# Altium PCB PCB1.PcbDoc (part 2 of 2)
Units mil, origin at the board's own origin, x right, y up, seen from the top; angles counter-clockwise.
Board outline 1968.5 x 1968.5 mil, 4 copper layers (TOP-SIG, GND1, GND2, BOT-SIG), stack 62.449 mil thick; 202 components, 93 nets, 497 pads, 230 vias.
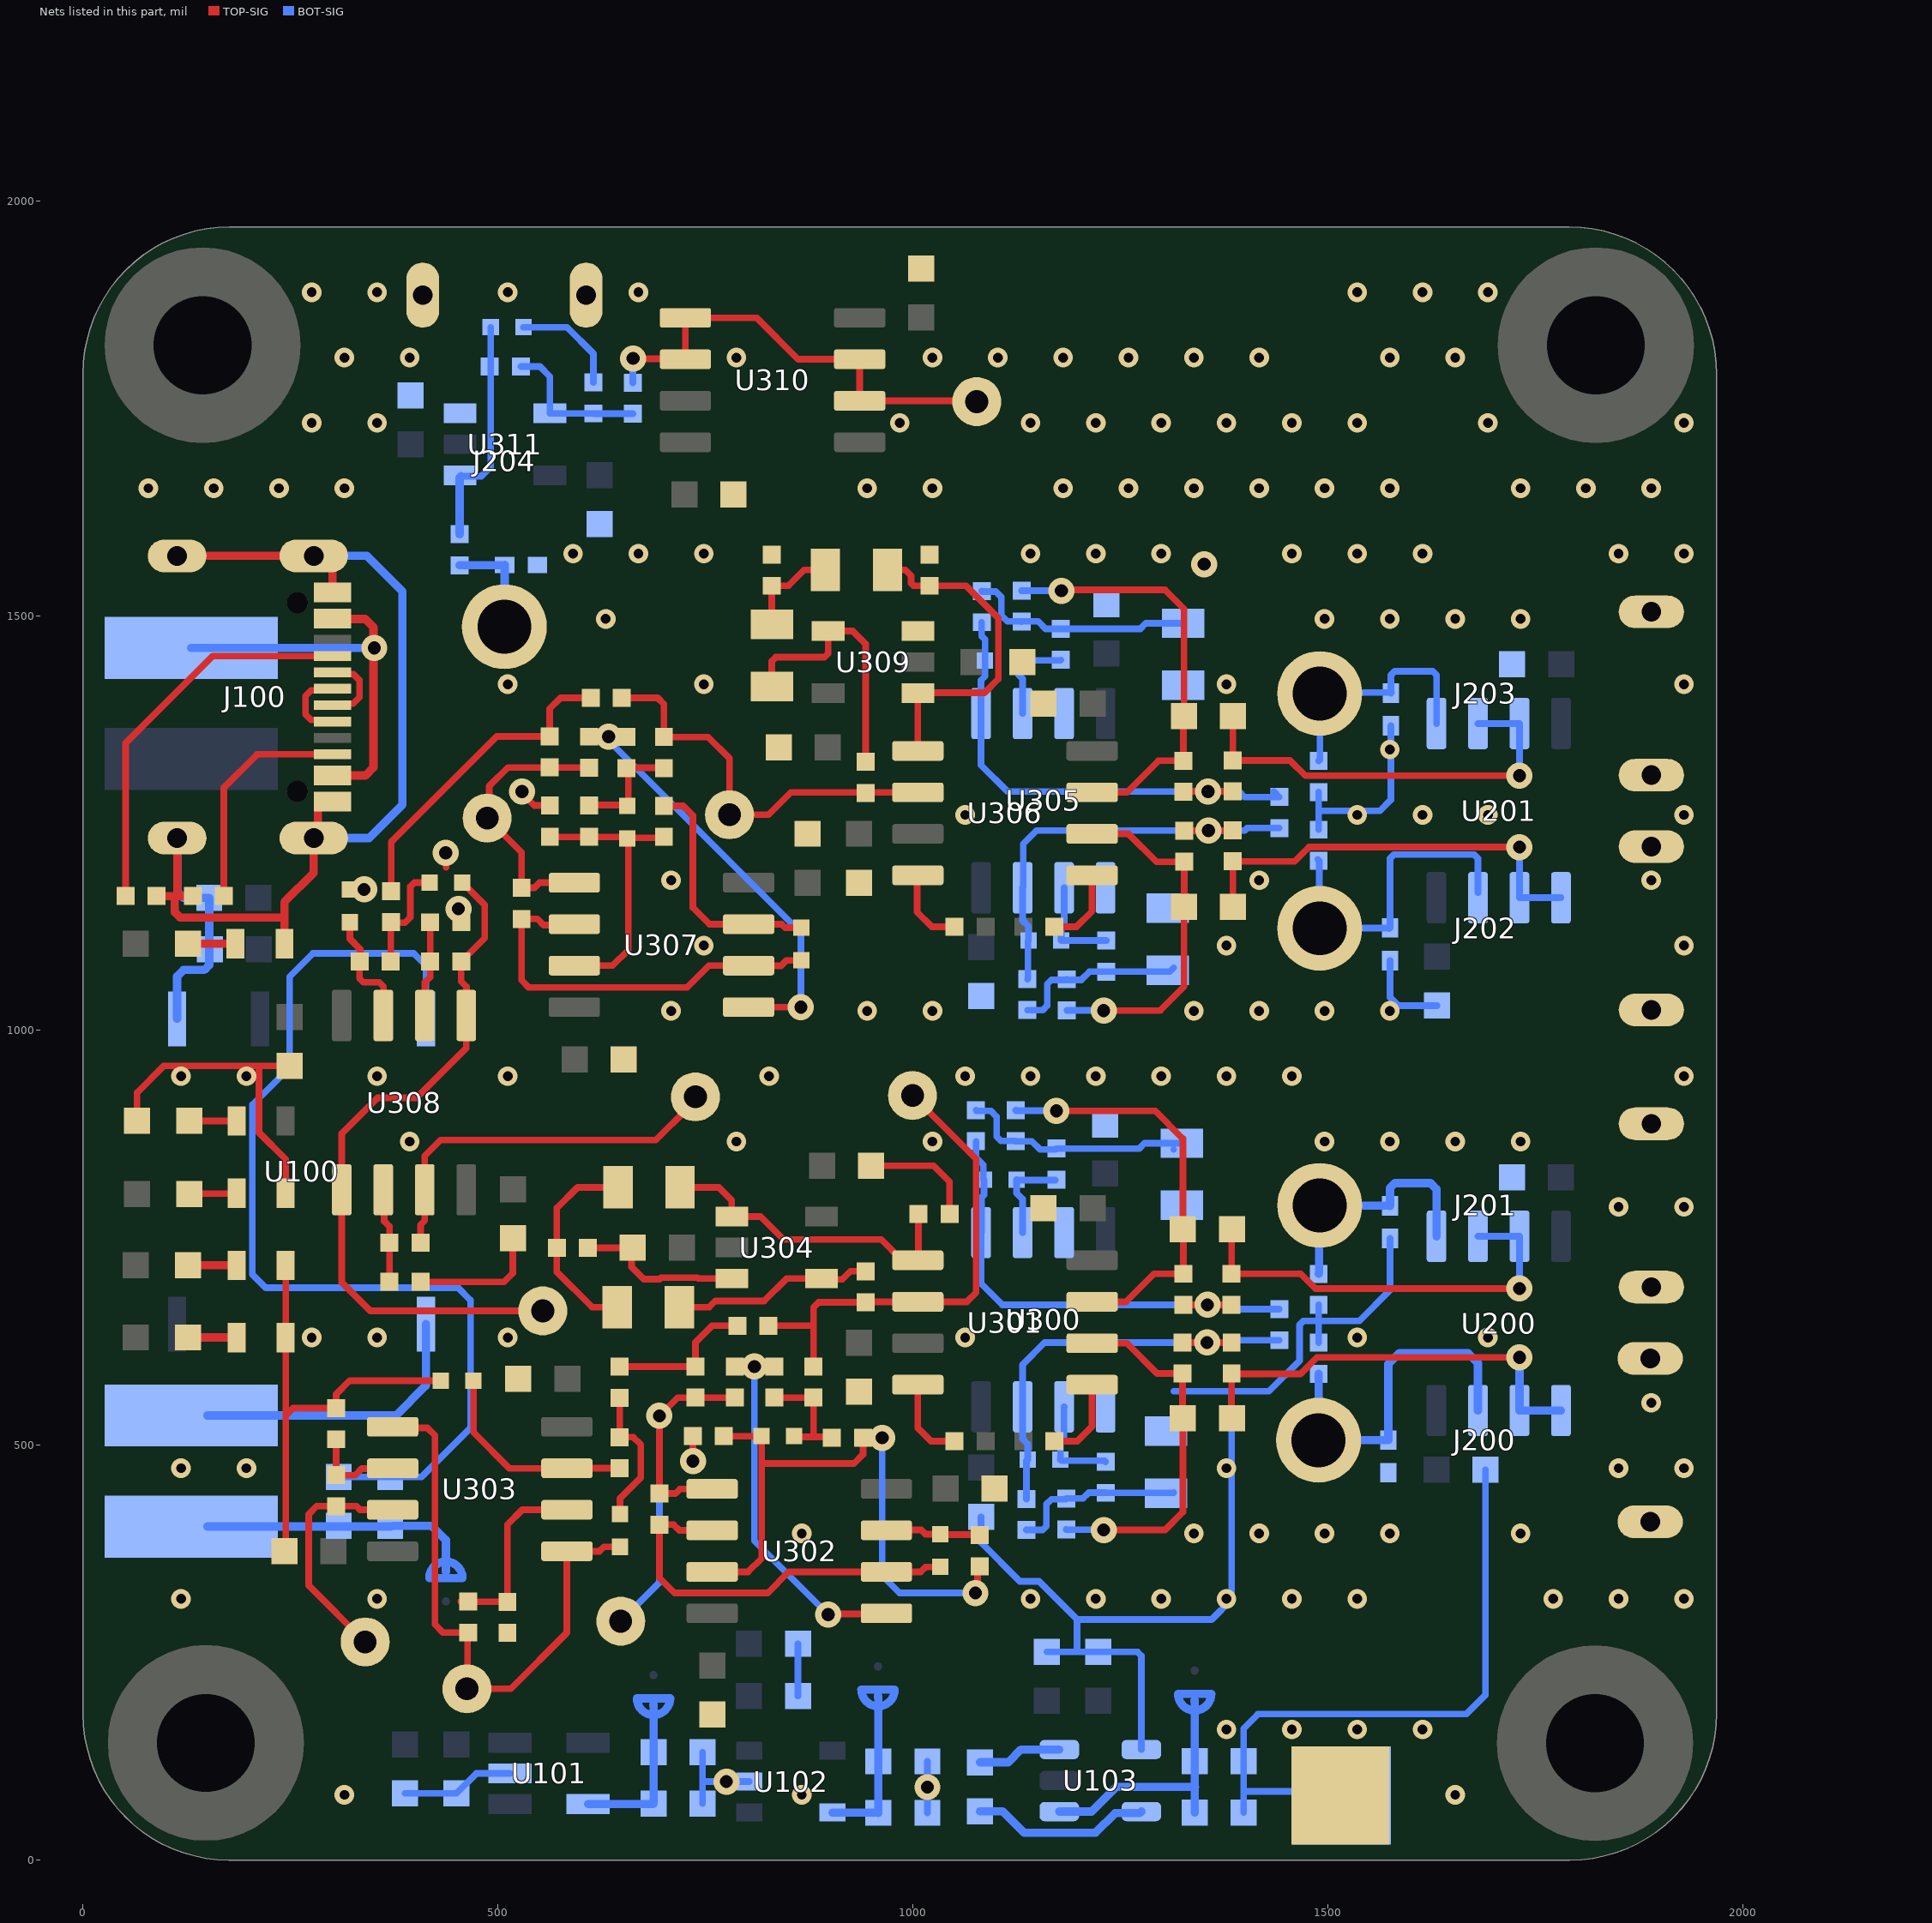
[diagram p4: the nets of this part, all layers, seen from the top]

## Via types
v1: diameter 23.62, hole 11.81, TOP-SIG to BOT-SIG, tented both sides, 140 vias
v2: diameter 31.5, hole 15.75, TOP-SIG to BOT-SIG, tented top, 52 vias
v3: diameter 23.62, hole 23.62, TOP-SIG to BOT-SIG, 32 vias
v4: diameter 31.5, hole 15.75, TOP-SIG to BOT-SIG, tented both sides, 6 vias

## Nets (pads, with @x,y where several pads share a name; then routed paths per layer and width w, separated by ;. In a path a pad name is that pad's centre, name@x,y a point inside that pad or via, vN(x,y) a via of type N, cw(c..) or ccw(c..) an arc to the next point about the centre after c; other vN are vias at no path point) (continued)
GND: C102.1 C103.1 C104.1 C105.1 C106.1 C107.1 C108.1 C109.1 C110.1 C111.1 C113.1 C114.1 C115.1 C116.1 C200.1 C201.2 C202.1 C203.2 C301.2 C302.1 C303.1 C308.1 C310.1 C311.2 C314.1 C315.2 C316.1 C317.2 C318.1 C320.2 C321.1 C323.2 C324.1 C325.1 C330.1 C332.1 C333.2 C336.1 C337.2 C338.1 C339.2 C340.1 C342.1 C343.2 C345.1 C346.2 C347.1 C348.2 D104.2 D200.2 D201.2 D202.2 D203.2 D204.2 J200.1 J200.3 J201.1 J201.3 J202.1 J202.3 J203.1 J203.3 J204.1 J204.3 R100.2 R104.2 R105.2 R200.1 R201.2 R202.1 R203.2 R313.1 R318.1 R321.1 R324.1 R327.1 R344.1 R349.1 R352.1 R355.1 R358.1 TP100.1 TP101.1 U100.7 U101.2 U102.2 U103.4 U300.3 U300.5 U304.3 U305.3 U305.5 U309.3 U311.3 | length 5688.1
  TOP-SIG w8: D104.2@64.95,891 64.95,924.95 97.33,957.33 212,957.33 ; C315.2@242.73,372.52 244.19,373.97 244.19,535.93 ; R104.2@244.19,716.83 R100.2@244.19,629.74 244.19,535.93 ; R105.2@244.19,803.91 244.19,844.81 212,877 212,957.33 ; C336.1@248.87,957.33 212,957.33 ; C330.1@321.54,1169.8 338.53,1169.8 v4(338.73,1170) ; R355.1@406.7,696.94 507.32,696.94 518,707.63 C337.2@518,749.47 ; C308.1@431.12,577.92 321.49,577.92 305,561.43 R324.1@305,544.7 252.96,544.7 244.19,535.93 ; v4@434,1214 v4(437,1214) 437.42,1213.58 437.42,1196.91 ; v4(452.31,1146.6) 452.31,1133.83 R358.1@455.7,1130.43 ; v4(529,1288) 529,1286 543.87,1271.13 R352.1@562.57,1271.13 ; R318.1@608.37,738 662.04,738 C321.1@662.5,738.46 661,736.96 661,715 675.75,700.25 694.9,700.25 696.7,702.05 740.42,702.05 741.46,701.01 U304.3@781.71,701.01 ; v4@735,480 v4(735,481.03) 734.92,481.11 734.92,512.92 R321.1@735,513 ; C320.2@949.53,837 1025,837 1044.19,817.81 R313.1@1044.19,778.63
  BOT-SIG w8: C102.1@308.12,461.89 C103.1@370.12,461.89 407.89,461.89 467,521 467,674.87 451.87,690 220,690 204,706 204,910.49 248.87,955.36 248.87,1064.87 276.84,1092.84 398.61,1092.84 413.24,1078.22 U100.7@413.24,1014 ; C105.1@388,80.47 C104.1@450,80.47 474.1,104.57 U101.2@514.62,104.57 ; C107.1@746.53,68 746.53,93.59 ; C106.1@746.53,130 746.53,93.59 ; U102.2@802.8,94.7 747.63,94.7 746.53,93.59 ; C109.1@861.53,197.75 C108.1@861.53,260.8 ; C110.1@1017.53,57 C111.1@1017.53,119 ; C302.1@1082.23,413.89 1082.23,382.77 1129,336 1152,336 1197.95,290.05 ; C114.1@1161.54,251.02 1161.6,251.08 1197.95,251.08 ; U103.4@1275.28,133.3 1275.28,246.39 1270.6,251.08 C113.1@1223.54,251.08 1197.95,251.08 ; 1314.41,565.09 1384.12,565.09 ; C115.1@1398.63,57.36 1398.63,82.95 ; R200.1@1489,623.7 1489,650 ; R201.2@1489,669.17 1489,650 ; R202.1@1489,1241.99 1489,1264.72 ; R203.2@1489,1287.46 1489,1264.72 ; TP100.1@1517,77.8 1511.85,82.95 1398.63,82.95 ; D201.2@1575,749.32 1575,687 1538,650 1489,650 ; D202.2@1575,1084.32 1575,1040 1584.96,1030.04 C202.1@1631.6,1030.04 ; D203.2@1576,1367.32 1576,1278 1562.72,1264.72 1489,1264.72 ; C200.1@1690.06,470.62 1690.06,199.06 1667,176 1416,176 1398.63,158.63 C116.1@1398.63,119.36 1398.63,82.95 ; 1197.95,251.08 1197.95,290.05 ; 1197.95,290.05 1360.05,290.05 1384.12,314.12 1384.12,565.09 ; 1384.12,565.09 1429.09,565.09 1466,602 1466,645.31 1470.69,650 1489,650
  other v1: 314.96,78.74 866.14,78.74 1653.54,78.74 1377.95,157.48 1456.69,157.48 1535.43,157.48 1614.17,157.48 118.11,314.96 354.33,314.96 1141.73,314.96 1220.47,314.96 1299.21,314.96 1377.95,314.96 1456.69,314.96 1535.43,314.96 1771.65,314.96 1850.39,314.96 1929.13,314.96 866.14,393.7 1338.58,393.7 1417.32,393.7 1496.06,393.7 1574.8,393.7 1732.28,393.7 118.11,472.44 196.85,472.44 1377.95,472.44 1850.39,472.44 1929.13,472.44 1889.76,551.18 275.59,629.92 354.33,629.92 511.81,629.92 1062.99,629.92 1535.43,629.92 1692.91,629.92 1850.39,787.4 1929.13,787.4 393.7,866.14 787.4,866.14 1023.62,866.14 1496.06,866.14 1574.8,866.14 1653.54,866.14 1732.28,866.14 118.11,944.88 196.85,944.88 354.33,944.88 511.81,944.88 826.77,944.88 1062.99,944.88 1141.73,944.88 1220.47,944.88 1299.21,944.88 1377.95,944.88 1456.69,944.88 1929.13,944.88 708.66,1023.62 944.88,1023.62 1023.62,1023.62 1338.58,1023.62 1417.32,1023.62 1496.06,1023.62 1574.8,1023.62 748.03,1102.36 1377.95,1102.36 1929.13,1102.36 708.66,1181.1 1417.32,1181.1 1889.76,1181.1 1062.99,1259.84 1535.43,1259.84 1614.17,1259.84 1692.91,1259.84 1929.13,1259.84 1574.8,1338.58 511.81,1417.32 748.03,1417.32 1377.95,1417.32 1929.13,1417.32 629.92,1496.06 1496.06,1496.06 1574.8,1496.06 1653.54,1496.06 1732.28,1496.06 590.55,1574.8 669.29,1574.8 748.03,1574.8 1141.73,1574.8 1220.47,1574.8 1299.21,1574.8 1456.69,1574.8 1535.43,1574.8 1614.17,1574.8 1850.39,1574.8 1929.13,1574.8 78.74,1653.54 157.48,1653.54 236.22,1653.54 314.96,1653.54 944.88,1653.54 1023.62,1653.54 1181.1,1653.54 1259.84,1653.54 1338.58,1653.54 1417.32,1653.54 1496.06,1653.54 1574.8,1653.54 1732.28,1653.54 1811.02,1653.54 1889.76,1653.54 275.59,1732.28 354.33,1732.28 984.25,1732.28 1141.73,1732.28 1220.47,1732.28 1299.21,1732.28 1377.95,1732.28 1456.69,1732.28 1535.43,1732.28 1692.91,1732.28 1929.13,1732.28 314.96,1811.02 393.7,1811.02 787.4,1811.02 1023.62,1811.02 1102.36,1811.02 1181.1,1811.02 1259.84,1811.02 1338.58,1811.02 1417.32,1811.02 1574.8,1811.02 1653.54,1811.02 275.59,1889.76 354.33,1889.76 511.81,1889.76 669.29,1889.76 1535.43,1889.76 1614.17,1889.76 1692.91,1889.76
  other v2: 1017.53,88 775.22,94.7
  other v4: 1351,1562
NetC102_2: C102.2 C103.2 L101.2 SB100.2 | length 329.1
  BOT-SIG w10: L101.2@149.71,402.07 C103.2@370.72,402.07 ; C103.2@374.12,402.83 420.17,402.83 437.26,385.74 SB100.2@437.26,347.85
NetC106_2: C106.2 C107.2 SB101.2 U101.5 | length 198
  BOT-SIG w10: U101.5@608.62,67.58 687.05,67.58 C107.2@687.47,68 SB101.2@687.47,187
NetC110_2: C110.2 C111.2 SB102.2 U102.5 | length 196
  BOT-SIG w10: U102.5@903.2,57.3 958.18,57.3 C110.2@958.47,57 958.47,196.99 SB102.2@958.04,197.42
NetC112_1: C112.1 U103.5 | length 215.5
  BOT-SIG w10: C112.1@1081.04,58.9 1108.1,58.9 1134,33 1220.06,33 1243.8,56.74 1273.52,56.74 U103.5@1275.28,58.5
NetC112_2: C112.2 U103.3 | length 101.8
  BOT-SIG w10: C112.2@1081.04,117.95 1114.95,117.95 1130.3,133.3 U103.3@1176.46,133.3
NetC115_2: C115.2 C116.2 SB103.2 U103.1 | length 311.2
  BOT-SIG w10: U103.1@1176.46,58.5 1215.5,58.5 1245.43,88.43 1340,88.43 1340.12,88.3 ; C115.2@1339.57,57.36 1339.57,88.43 C116.2@1339.57,119.36 1339.57,180.42 SB103.2@1339.57,192.42
NetC300_1: C300.1 R300.1 R304.1 R305.1 R307.2 U300.1 | length 606.1
  TOP-SIG w8: R304.1@1326,669.35 v2(1355,669.35) R305.1@1384,669.35
  BOT-SIG w8: R300.1@1076.13,866.46 1076.13,846.87 1084.99,838.01 1084.99,820.73 C300.1@1085.7,820.02 1085.7,801.7 1083,799 U300.1@1083,757.19 ; U300.1@1082.23,756.42 1082.23,694.77 1107.65,669.35 v2(1355,669.35) 1383.02,669.35 1388.3,664.07 R307.2@1441.57,664.07
NetC300_2: C300.2 R301.1 U300.2 | length 113.3
  BOT-SIG w8: U300.2@1132.23,756.42 1132.23,796.77 1125,804 1125,819.96 C300.2@1125.07,820.02 1125.55,819.54 R301.1@1171.5,819.54
NetC303_2: C303.2 R300.2 R301.2 R302.2 | length 285.1
  BOT-SIG w8: R300.2@1076.13,903.86 1076.99,903 1094,903 1101,896 1101,872 1106,867 1123.46,867 R302.2@1124,866.46 1143.46,866.46 1153.46,856.46 1171.76,856.46 R301.2@1173,857.7 1272.7,857.7 1279.12,864.12 C303.2@1324.38,864.12
NetC304_1: C304.1 R309.2 R310.1 | length 171
  TOP-SIG w8: R309.2@646.71,557.24 R310.1@646.71,509.71 647.01,510 663,510 672,501 672,461 647.09,436.09 C304.1@647.09,416.96
NetC304_2: C304.2 R326.2 TP302.1 U303.1 U303.5 | length 699.6
  TOP-SIG w8: U303.5@373.09,522.28 374.37,521 415,521 424,512 424,284 433.73,274.27 R326.2@455.15,274.27 ; R326.2@463.99,274.27 463.3,273.58 463.3,207.19 TP302.1@462.61,206.5 515.5,206.5 583,274 583,372.19 U303.1@583.09,372.28 622.28,372.28 627.59,377.59 C304.2@647.09,377.59
NetC305_1: C305.1 R302.1 R304.2 U301.3 | length 502.7
  TOP-SIG w8: v2(1173,903) 1292,903 1325.38,869.62 C305.1@1325.38,760.49 1326,759.86 R304.2@1326,706.75 1290.75,706.75 1257,673 U301.3@1216,673
  BOT-SIG w8: R302.1@1124,903.86 1124.43,903.43 1172.57,903.43 v2(1173,903)
NetC305_2: C305.2 R305.2 U200.6 U200.7 | length 521.1
  TOP-SIG w8: C305.2@1384,745.57 R305.2@1384,706.75 1467.25,706.75 1485,689 v2(1731,689) ; C305.2@1384.43,745.57 C305.2@1384.43,760.49
  BOT-SIG w8: U200.6@1681,752 U200.7@1731,752 v2(1731,689)
NetC306_1: C306.1 R306.2 R315.1 R328.2 | length 141.4
  TOP-SIG w8: R328.2@832.85,557.51 R306.2@880.28,557.51 880.28,510.52 879.79,510.03 ; C306.1@857.07,510.99 858.03,510.03 879.79,510.03 ; R315.1@902.52,509.07 901.55,510.03 879.79,510.03
NetC306_2: C306.2 R312.2 R315.2 R321.2 U302.3 | length 750.5
  TOP-SIG w8: U302.3@758.13,347.48 801.48,347.48 817.7,363.7 817.7,478 ; R321.2@772.28,511.03 C306.2@817.7,510.99 ; C306.2@817.7,510.99 817.7,478 ; R315.2@939.92,509.07 939.92,488.92 929,478 817.7,478 ; R315.2@939.95,509.03 v2(963,509) ; v2(1075.38,322) 1077.94,324.56 1077.94,351.71 R312.2@1080.5,354.26
  BOT-SIG w8: v2(963,509) 963,343 984,322 v2(1075.38,322)
NetC307_1: C307.1 R317.2 R320.2 U301.2 | length 441
  TOP-SIG w8: U301.2@1216,623 1258,623 1294.51,586.49 R317.2@1324.88,586.49 1324.88,533.25 C307.1@1325.38,532.75 1325.38,419.38 1304,398 v2(1230,398)
  BOT-SIG w8: R320.2@1184.8,398.56 1185.08,398.28 1229.72,398.28 v2(1230,398)
NetC307_2: C307.2 R314.2 U200.1 U200.2 | length 522.5
  TOP-SIG w8: R314.2@1384.12,586.49 1384.12,533.07 C307.2@1384.43,532.75 ; R314.2@1384.61,586 1467,586 1487,606 v2(1731,606)
  BOT-SIG w10: v2(1731,606) U200.2@1731,542 U200.1@1781,542
NetC308_2: C308.2 R310.2 U303.3 | length 256.6
  TOP-SIG w8: C308.2@470.49,577.92 470.49,515.51 513.72,472.28 U303.3@583.09,472.28 R310.2@646.71,472.31
NetC309_1: C309.1 R312.1 U302.7 | length 115.2
  TOP-SIG w8: U302.7@968.13,397.48 968.65,398 1010,398 1015.21,392.79 C309.1@1033.09,392.79 1033.65,392.23 1079.94,392.23 R312.1@1080.5,391.67
NetC309_2: C309.2 R325.2 U302.2 U302.6 | length 489.7
  TOP-SIG w8: U302.2@758.13,397.48 718.52,397.48 711.57,404.43 R325.2@694.51,404.43 694.51,340.49 713,322 825,322 850.48,347.48 U302.6@968.13,347.48 1009.48,347.48 1015.42,353.42 C309.2@1033.09,353.42
NetC312_1: C312.1 R313.2 U301.5 U304.1 | length 390.3
  TOP-SIG w8: C312.1@719.43,810.88 766.12,810.88 781.71,795.29 U304.1@781.71,775.81 816.19,775.81 844,748 961.91,748 986.91,723 U301.5@1006,723 1006.79,723.79 R313.2@1006.79,778.63
NetC312_2: C312.2 C313.1 R318.2 | length 251.3
  TOP-SIG w8: C313.1@643.76,666.46 613.54,666.46 570.97,709.04 R318.2@570.97,738 570.97,785.97 595.88,810.88 C312.2@644.62,810.88
NetC313_2: C313.2 R311.1 U304.4 | length 243.2
  TOP-SIG w8: C313.2@718.56,666.46 754.46,666.46 762,674 821,674 848.01,701.01 U304.4@889.98,701.01 890.98,700 915,700 924.7,709.7 R311.1@943,709.7
NetC316_2: C316.2 R320.1 R323.2 R330.2 | length 211.9
  BOT-SIG w8: R330.2@1136.94,397.91 1156.31,397.91 1161,402.6 1161,429 1167,435 1183.83,435 R320.1@1184.8,435.96 1204.96,435.96 1212,443 1231.95,443 R323.2@1232.23,442.72 1314.09,442.72 C316.2@1314.41,443.04
NetC319_1: C319.1 R307.1 R314.1 R317.1 R330.1 U300.7 | length 545.8
  TOP-SIG w8: R317.1@1324.88,623.89 v2(1354.5,623.89) R314.1@1384.12,623.89
  BOT-SIG w8: R330.1@1136.94,435.31 1136.94,481.43 C319.1@1138.32,482.81 1138.32,501.68 1132.23,507.77 U300.7@1132.23,546.42 1132.23,597.23 1158.89,623.89 1383.14,623.89 1385.91,626.67 R307.1@1441.57,626.67
NetC319_2: C319.2 R323.1 U300.6 | length 121.1
  BOT-SIG w8: U300.6@1182.23,546.42 1182,546.19 1182,508 1178,504 1178,483.12 C319.2@1177.69,482.81 1179.04,481.47 1230.88,481.47 R323.1@1232.23,480.12
NetC322_1: C322.1 R331.1 R335.1 R336.1 R338.2 U305.1 | length 620.5
  TOP-SIG w8: R335.1@1325.89,1287.67 1326.11,1287.89 v2(1355.76,1287.89) 1385.42,1287.89 R336.1@1385.63,1288.11
  BOT-SIG w8: R331.1@1082.95,1492.08 1082.95,1475.35 1086.9,1471.4 C322.1@1086.9,1445.64 1086.9,1426.9 1082,1422 1082,1320 1114.11,1287.89 v2(1355.76,1287.89) 1393.11,1287.89 1399.65,1281.35 R338.2@1441.57,1281.35 R338.2@1435.03,1287.89
NetC322_2: C322.2 R332.1 U305.2 | length 118.7
  BOT-SIG w8: U305.2@1132.23,1382.04 1132.23,1423.77 1127.51,1428.49 1127.51,1444.41 C322.2@1126.27,1445.64 1126.81,1446.19 1177.88,1446.19 R332.1@1178.42,1446.73
NetC325_2: C325.2 R331.2 R332.2 R333.2 | length 277.5
  BOT-SIG w8: R331.2@1082.95,1529.48 1083.44,1529 1100,1529 1106.64,1522.36 1106.64,1500.36 1114,1493 1130.77,1493 R333.2@1130.99,1492.79 1131.2,1493 1151,1493 1159.87,1484.13 R332.2@1178.42,1484.13 1274.13,1484.13 1280.89,1490.89 C325.2@1325.8,1490.89
NetC326_1: C326.1 R340.2 R341.1 | length 136
  TOP-SIG w8: R341.1@370.7,1083 371,1083.3 371,1130.15 R340.2@371.3,1130.45 371.75,1130 388,1130 394.5,1136.5 394.5,1173.52 399.19,1178.21 C326.1@417.73,1178.21
NetC326_2: C326.2 R357.2 TP305.1 U308.1 U308.5 | length 853.6
  TOP-SIG w8: C326.2@457.11,1178.21 484,1151.32 484,1111.3 R357.2@455.7,1083 455.7,1059.3 462,1053 462,1018.22 U308.1@461.78,1018 461.78,978.78 401.78,918.78 354.78,918.78 311.78,875.78 311.78,696.22 346,662 TP305.1@554,662
NetC327_1: C327.1 R333.1 R335.2 U306.3 | length 514.9
  TOP-SIG w8: v2(1179,1530) 1180,1531 1304,1531 1326.8,1508.2 C327.1@1326.8,1378.81 1325.89,1377.91 R335.2@1325.89,1325.08 1296.08,1325.08 1258,1287 U306.3@1216,1287
  BOT-SIG w8: R333.1@1130.99,1530.19 1131.08,1530.09 1178.91,1530.09 v2(1179,1530)
NetC327_2: C327.2 R336.2 U201.6 U201.7 | length 519.4
  TOP-SIG w8: C327.2@1385.85,1378.81 1385.63,1378.59 R336.2@1385.63,1325.51 1454.49,1325.51 1473,1307 v2(1731,1307)
  BOT-SIG w8: U201.6@1681,1370 U201.7@1731,1370 v2(1731,1307)
NetC328_1: C328.1 R337.2 R346.1 R359.2 | length 139.5
  TOP-SIG w8: R346.1@610,1271.13 610.49,1271.62 656.51,1271.62 657,1272.11 657.1,1272.2 657.1,1316.66 657.19,1316.75 657.24,1316.71 R337.2@704.58,1316.71
NetC328_2: C328.2 R343.2 R346.2 R352.2 U307.3 | length 348.1
  TOP-SIG w8: R352.2@562.57,1233.72 563.06,1233.23 656.51,1233.23 657,1232.74 657,1097 638.15,1078.15 U307.3@592.09,1078.15 ; C328.2@656,1231.31 657,1232.31 699.01,1232.31 R343.2@700,1233.3
NetC329_1: C329.1 R348.2 R351.2 U306.2 | length 428.8
  TOP-SIG w8: U306.2@1216,1237 1259.86,1237 1293.56,1203.3 R348.2@1327,1203.3 1327,1149.45 C329.1@1326.8,1149.25 1326.8,1052.8 1298,1024 v2@1228,1024
  BOT-SIG w8: R351.2@1185.57,1024.29 1185.72,1024.15 1227.85,1024.15 v2@1228,1024
  other v2: 1230,1024
NetC329_2: C329.2 R345.2 U201.1 U201.2 | length 518.2
  TOP-SIG w8: C329.2@1385.85,1149.25 1385.63,1149.47 R345.2@1385.63,1203.88 1459.88,1203.88 1477,1221 v2(1731,1221)
  BOT-SIG w8: v2(1731,1221) U201.2@1731,1160 U201.1@1781,1160
NetC330_2: C330.2 R341.2 U308.3 | length 141
  TOP-SIG w8: C330.2@321.54,1130.43 321.54,1110.46 334,1098 334,1083.7 R341.2@333.3,1083 333.3,1062.7 338,1058 357,1058 362,1053 362,1018.22 U308.3@361.78,1018
NetC331_1: C331.1 R343.1 U307.7 | length 291.5
  TOP-SIG w8: R343.1@700,1270.7 723.3,1270.7 735,1259 735,1148 754.85,1128.15 U307.7@802.09,1128.15 802.24,1128 842,1128 846.13,1123.87 C331.1@865.7,1123.87
NetC331_2: C331.2 R356.2 U307.2 U307.6 | length 495.5
  TOP-SIG w8: U307.2@592.09,1128.15 590.95,1127 555,1127 547.53,1134.47 R356.2@528.47,1134.47 528.47,1060.53 537,1052 728,1052 754.15,1078.15 U307.6@802.09,1078.15 802.24,1078 841,1078 847.5,1084.5 C331.2@865.7,1084.5
NetC334_1: C334.1 R344.2 U306.5 U309.1 | length 441.1
  TOP-SIG w8: C334.1@983.12,1536.41 969.4,1550.13 C334.1@969.4,1555 991,1555 998,1548 998,1539 1001,1536 1064,1536 1103,1497 1103,1423.7 1086.3,1407 1006.54,1407 1006,1406.46 U306.5@1006,1337 ; R344.2@1015,1541 R344.2@1020,1536
NetC334_2: C334.2 C335.1 R349.2 | length 119.1
  TOP-SIG w8: C335.1@830,1489.4 R349.2@830,1536 850,1536 869,1555 C334.2@894.6,1555
NetC335_2: C335.2 R342.1 U309.4 | length 323
  TOP-SIG w8: C335.2@830,1414.6 830,1445.18 834.69,1449.87 893.18,1449.87 897.87,1454.55 U309.4@897.87,1481.4 927.6,1481.4 943,1466 R342.1@943,1323.7
NetC338_2: C338.2 R351.1 R354.2 R361.2 | length 213.3
  BOT-SIG w8: R361.2@1138.14,1024.54 1156.54,1024.54 1162,1030 1162,1056 1167,1061 1184.88,1061 R351.1@1185.57,1061.69 1186.26,1061 1203,1061 1212.91,1070.91 R354.2@1233,1070.91 1309.62,1070.91 C338.2@1314.41,1075.7
NetC341_1: C341.1 R338.1 R345.1 R348.1 R361.1 U305.7 | length 542.1
  TOP-SIG w8: R348.1@1327,1240.7 1327.29,1240.99 v2(1356.32,1240.99) 1385.34,1240.99 R345.1@1385.63,1241.29
  BOT-SIG w8: R361.1@1138.14,1061.94 1138.73,1062.54 1138.73,1107.83 C341.1@1139.33,1108.43 1139.33,1125.67 1132.23,1132.77 U305.7@1132.23,1172.04 1133,1172.81 1133,1225 1148.99,1240.99 1399.99,1240.99 1402.95,1243.95 R338.1@1441.57,1243.95
NetC341_2: C341.2 R354.1 U305.6 | length 119.4
  BOT-SIG w8: U305.6@1182.23,1172.04 1182.23,1129.23 1178.7,1125.7 C341.2@1178.7,1108.43 1178.77,1108.37 1232.94,1108.37 R354.1@1233,1108.31
NetC344_1: C344.1 R204.2 R363.1 U311.1 | length 279.4
  BOT-SIG w8: U311.1@455.53,1668 479.9,1668 491.29,1679.39 C344.1@491.29,1847.66
  BOT-SIG w10: R204.2@453.74,1598.13 453.74,1666.2 U311.1@455.53,1668
NetC344_2: C344.2 R362.1 | length 132.3
  BOT-SIG w8: C344.2@530.66,1847.66 583.19,1847.66 615.04,1815.81 R362.1@615.04,1781.11
NetD100_1: D100.1 R100.1 | length 58.7
  TOP-SIG w10: D100.1@126.5,630 184.87,630 R100.1@185.13,629.74
NetD101_1: D101.1 R103.2 | length 57.2
  TOP-SIG w10: D101.1@126.5,1104.68 R103.2@183.69,1104.68
NetD102_1: D102.1 R104.1 | length 58.7
  TOP-SIG w10: D102.1@126.5,717 184.96,717 R104.1@185.13,716.83
NetD103_1: D103.1 R105.1 | length 57.3
  TOP-SIG w8: D103.1@127.94,803 128.31,803.37 R105.1@185.13,803.37
NetD104_1: D104.1 R106.1 | length 57.2
  TOP-SIG w8: D104.1@127.94,891 R106.1@185.13,891
NetD200_1: D200.1 J200.2 R200.2 U200.3 | length 431.4
  BOT-SIG w10: R200.2@1489,586.3 1488.95,586.25 J200.2@1488.9,506.17 J200.2@1488.9,506.17 1488.97,506.24 1572.93,506.24 D200.1@1573,506.31 1573,598 1586,611 1669,611 1681,599 U200.3@1681,542
NetD201_1: D201.1 J201.2 R201.1 U200.5 | length 307.8
  BOT-SIG w10: R201.1@1489,706.57 1489.67,707.24 1489.67,788.49 J201.2@1490.35,789.17 1490.59,788.93 1574.76,788.93 D201.1@1575,788.68 1575,810.14 1580.86,816 1624,816 1626.93,813.07 1631,809 U200.5@1631,752
NetD202_1: D202.1 J202.2 R202.2 U201.3 | length 402.6
  BOT-SIG w8: R202.2@1488,1206 1489.66,1204.34 1489.66,1123.82 J202.2@1490.32,1123.17 1490.58,1123.43 1573.57,1123.43 D202.1@1574,1123 ; D202.1@1575,1123.68 1575,1207.31 1579.69,1212 1676.31,1212 1681,1207.31 U201.3@1681,1166
NetD203_1: D203.1 J203.2 R203.1 U201.5 | length 307.7
  BOT-SIG w8: R203.1@1489,1324.86 1490.5,1326.36 J203.2@1490.5,1405.98 ; J203.2@1490.32,1406.17 1491.42,1407.27 1575.42,1407.27 D203.1@1575.66,1407.02 ; D203.1@1576.84,1407.53 D203.1@1576,1406.68 1576,1428.31 1580.69,1433 1626.31,1433 1631,1428.31 U201.5@1631,1370
NetD204_1: D204.1 J204.2 R204.1 | length 129.1
  BOT-SIG w10: R204.1@453.74,1560.73 453.87,1560.87 508.08,1560.87 D204.1@508.22,1561 507.99,1560.77 507.99,1486.95 J204.2@507.76,1486.73
NetJ100_A4_B9: J100.A4_B9 J100.B4_A9 L100.1 | length 496.8
  TOP-SIG w10: J100.B4_A9@300.63,1307.46 340.46,1307.46 350,1317 350,1486 340,1496 301.07,1496 J100.A4_B9@300.63,1496.43
  BOT-SIG w10: L100.1@130.24,1460.93 350.93,1460.93 v2(351,1461)
NetJ100_A5: J100.A5 R102.2 | length 477.1
  TOP-SIG w8: R102.2@51.3,1162 51.3,1346.3 156.16,1451.16 J100.A5@300.63,1451.16
NetJ100_B5: J100.B5 R101.2 | length 278.3
  TOP-SIG w8: R101.2@169.7,1162 169.7,1292.7 210.05,1333.05 J100.B5@300.63,1333.05
NetL101_1: L101.1 U100.8 | length 352.5
  BOT-SIG w10: L101.1@149.71,535.93 377.17,535.93 413.24,572 U100.8@413.24,646
NetR303_1: R303.1 R306.1 R311.2 TP300.1 U301.6 | length 601.7
  TOP-SIG w8: R303.1@825.99,644.16 878.41,644.16 880.28,642.28 ; R306.1@880.28,594.91 880.28,642.28 ; R311.2@942.38,678.95 948.33,673 1065,673 1076.13,684.13 1076.13,845.02 TP300.1@999.55,921.6 ; R311.2@943,672.3 886.3,672.3 880.28,666.28 880.28,642.28
NetR303_2: R303.2 R308.2 R309.1 | length 179.4
  TOP-SIG w8: R309.1@646.71,594.64 646.85,594.77 737.85,594.77 738.05,594.98 738.05,624.05 758.16,644.16 R303.2@788.58,644.16
NetR308_1: R308.1 R325.1 R329.1 TP301.1 U302.1 | length 535.7
  TOP-SIG w8: TP301.1@648,288 TP301.1@648,297.28 ; U302.1@758.13,447.48 719.48,447.48 713.83,441.83 R325.1@694.51,441.83 v2(694.51,535.51) 716.51,557.51 R308.1@737.98,557.51 R329.1@785.42,557.51
  BOT-SIG w8: TP301.1@648,288 694.51,334.51 v2(694.51,535.51)
NetR316_1: R316.1 U301.8 | length 102.9
  TOP-SIG w8: U301.8@1006,573 1006,521 1022,505 R316.1@1050.3,505
NetR319_1: R319.1 U301.1 | length 102.9
  TOP-SIG w8: R319.1@1170.57,505 1198,505 1216,523 U301.1@1216,573
NetR322_1: R322.1 R324.2 U303.6 | length 114.8
  TOP-SIG w8: R324.2@305,507.3 R324.2@305,507.3 305.05,464.03 R322.1@305.09,463.98 327.98,463.98 336,472 372.81,472 U303.6@373.09,472.28
NetR322_2: R322.2 TP307.1 U303.7 | length 289
  TOP-SIG w8: TP307.1@340,263 272,331 272,417 281.58,426.58 R322.2@305.09,426.58 329.42,426.58 333.72,422.28 U303.7@373.09,422.28
NetR326_1: R326.1 R327.2 U303.2 | length 228.3
  TOP-SIG w8: R326.1@455.15,311.67 455.29,311.54 511.42,311.54 511.42,404.42 529.28,422.28 U303.2@583.09,422.28
NetR328_1: R328.1 R329.2 U302.5 | length 454.1
  TOP-SIG w8: R329.2@785.42,594.91 785.46,594.96 v2(809,595) v2(809,595) v2(809,595) 832.81,594.96 R328.1@832.85,594.91 ; v2(898,296) 898.74,296.74 967.39,296.74 U302.5@968.13,297.48
  BOT-SIG w8: v2(809,595) 809,385 v2(898,296)
NetR334_1: R334.1 R337.1 R342.2 TP303.1 U306.6 | length 489.5
  TOP-SIG w8: R334.1@649.13,1400.85 692.58,1400.85 700,1393.42 R337.1@700,1353.7 753.3,1353.7 779,1328 TP303.1@779,1260 826,1260 853,1287 943,1287 U306.6@1006,1287
NetR334_2: R334.2 R339.2 R340.1 | length 391.2
  TOP-SIG w8: R340.1@371.3,1167.85 371.3,1227.3 498.4,1354.4 R339.2@562.23,1354.4 562.23,1387.65 575.42,1400.85 R334.2@611.73,1400.85
NetR339_1: R339.1 R356.1 R360.1 TP304.1 U307.1 | length 336.6
  TOP-SIG w8: U307.1@592.09,1178.15 550.15,1178.15 544,1172 528.47,1172 528.47,1214.53 TP304.1@487,1256 489.53,1258.53 489.53,1294.53 512,1317 R339.1@562.23,1317 562.37,1316.86 609.63,1316.86 R360.1@609.76,1316.73
NetR347_1: R347.1 U306.8 | length 96.8
  TOP-SIG w8: U306.8@1005,1187 1005,1143 1023.06,1124.94 R347.1@1050.3,1124.94
NetR350_1: R350.1 U306.1 | length 96.3
  TOP-SIG w8: R350.1@1170.57,1125.01 1197.01,1125.01 1216,1144 U306.1@1216,1187
NetR353_1: R353.1 R355.2 U308.6 | length 114.2
  TOP-SIG w8: U308.6@361.78,808 363,806.78 363,770 369.29,763.71 R353.1@369.29,744.38 369.29,715.2 R355.2@369.3,696.94
NetR353_2: R353.2 TP308.1 U308.7 | length 445.7
  TOP-SIG w8: R353.2@406.69,744.38 406.69,765.69 411.78,770.78 U308.7@411.78,808 411.78,848.78 430.82,867.82 690.3,867.82 TP308.1@727.6,905.12
NetR357_1: R357.1 R358.2 U308.2 | length 115.1
  TOP-SIG w8: U308.2@411.78,1018 412,1018.22 412,1058 418.3,1064.3 R357.1@418.3,1083 R358.2@418.3,1130.43
NetR359_1: R359.1 R360.2 U307.5 | length 532.5
  TOP-SIG w8: R360.2@609.76,1354.13 v2(633.48,1354.14) R359.1@657.18,1354.14 ; U307.5@802.09,1028.15 802.17,1028.07 864.93,1028.07 v2(865,1028)
  BOT-SIG w8: v2(633.48,1354.14) 633.48,1349.62 865,1118.1 v2(865,1028)
NetR362_2: R362.2 R363.2 R364.1 U311.4 | length 184.4
  BOT-SIG w8: R363.2@527.61,1800.25 550.65,1800.25 562.63,1788.27 U311.4@562.63,1743.97 562.77,1743.84 614.9,1743.84 R362.2@615.04,1743.71 615.25,1743.49 662.26,1743.49 R364.1@662.47,1743.28
NetR364_2: R364.2 TP306.1 U310.1 U310.2 U310.6 U310.7 | length 563.7
  TOP-SIG w8: v2(662.9,1810) 663.4,1809.5 725.4,1809.5 725.9,1810 U310.1@725.9,1859 811.9,1859 861.9,1809 U310.7@935.9,1809 U310.6@935.9,1759 TP306.1@1077,1759
  BOT-SIG w8: R364.2@662.47,1780.68 662.68,1780.9 662.68,1809.79 v2(662.9,1810)
USB_D_N: J100.A7 J100.B7 | length 93.5
  TOP-SIG w8: J100.A7@300.63,1392.1 317.36,1392.1 319.27,1394.01 325.54,1394.01 333.27,1401.74 333.27,1422.04 325.75,1429.57 319.27,1429.57 317.36,1431.47 J100.B7@300.63,1431.47
USB_D_P: J100.A6 J100.B6 | length 94.5
  TOP-SIG w8: J100.B6@300.63,1372.42 283.9,1372.42 281.99,1374.32 274.78,1374.32 267.99,1381.11 267.99,1403.1 274.78,1409.88 281.99,1409.88 283.9,1411.79 J100.A6@300.63,1411.79
USB_GND: C100.1 C101.1 J100.A1_B12 J100.B1_A12 J100.SH1 J100.SH2 J100.SH3 J100.SH4 R101.1 R102.1 R103.1 U100.1 | length 1482.4
  TOP-SIG w10: R102.1@88.7,1162 110.5,1162 ; J100.SH4@113.43,1231.87 113.43,1164.93 110.5,1162 ; J100.SH3@113.43,1572.02 J100.SH1@277.99,1572.02 287.07,1572.02 300.63,1558.46 J100.A1_B12@300.63,1527.93 ; R101.1@132.3,1162 110.5,1162 ; R103.1@242.74,1104.68 242.74,1136.1 ; J100.B1_A12@300.63,1275.96 289.81,1275.96 282.99,1269.15 282.99,1236.87 J100.SH2@277.99,1231.87 277.99,1189.99 242.74,1154.74 242.74,1136.1 ; 110.5,1162 110.5,1142.5 116.9,1136.1 242.74,1136.1
  BOT-SIG w10: U100.1@113.24,1014 113.24,1065.24 121,1073 146.22,1073 152.08,1078.86 C100.1@152.08,1160 121,1160 113.43,1167.57 J100.SH4@113.43,1231.87 ; J100.SH2@277.99,1231.87 344.87,1231.87 385,1272 385,1529 341.98,1572.02 J100.SH1@277.99,1572.02
pads on no net: H100.0 H101.0 H102.0 H103.0 J100. J100.A8 J100.B8 U100.14 U101.4 U102.4
copper on no net:
  other v3: 1822,52.42 148,52.7 1759.36,78.36 1884.64,78.36 85.36,78.65 210.64,78.65 59.42,141.28 236.58,141.28 1733.42,141 1910.58,141 85.36,203.92 210.64,203.92 1759.36,203.64 1884.64,203.64 148,229.87 1822,229.58 144,1737.42 1823,1737.42 81.36,1763.36 206.64,1763.36 1760.36,1763.36 1885.64,1763.36 55.42,1826 232.58,1826 1734.42,1826 1911.58,1826 81.36,1888.64 206.64,1888.64 1760.36,1888.64 1885.64,1888.64 144,1914.58 1823,1914.58

## Polygon pours and split planes (outlines as drawn)
GND on BOT-SIG "GND_L04_P001" (solid, remove dead copper, pour order 1): 0,1807.28 cw(c162.46,1807.28) 162.46,1969.74 226.38,1971 1803.28,1971 cw(c1803.28,1806.34) 1967.94,1806.33 1967.47,1751.97 1967.47,216.54 1967.96,161.68 cw(c1806.28,161.68) 1806.28,0 164.01,0 cw(c164.01,164.01) 0,164.01 0,967 233.12,967 233.12,1058.12 303,1128 303,1170 404,1271 404,1564 353,1615 0,1615
USB_GND on BOT-SIG "USB_GND_L04_P003" (solid, remove dead copper, pour order 3): 1,1597 350,1597 391,1556 391,1274 291,1174 291,1133 221,1063 221,978 0,978
GND on TOP-SIG "GND_L01_P000" (solid, remove dead copper, pour order 0): 0,1807.28 cw(c162.46,1807.28) 162.46,1969.74 226.38,1971 1803.28,1971 cw(c1803.28,1806.34) 1967.94,1806.33 1967.47,1751.97 1967.47,216.54 1967.96,161.68 cw(c1806.28,161.68) 1806.28,0 164.01,0 cw(c164.01,164.01) 0,164.01 0,967 218,967 228,977 228,1053 303,1128 303,1187 320,1187 404,1271 404,1566 354,1616 353,1615 0,1615
USB_GND on TOP-SIG "USB_GND_L01_P002" (solid, remove dead copper, pour order 2): 1,1597 350,1597 391,1556 391,1274 291,1174 291,1133 221,1063 221,978 0,978
GND on GND2 (split plane): 176.65,1948.41 1790.95,1948.41 1791.57,1948.47 1801.26,1948.15 1811.52,1947.14 1821.69,1945.46 1831.73,1943.12 1841.59,1940.13 1851.24,1936.5 1860.63,1932.24 1869.72,1927.38 1878.48,1921.94 1886.86,1915.93 1894.82,1909.39 1902.35,1902.35 1909.39,1894.82 1915.93,1886.86 1921.94,1878.48 1927.38,1869.72 1932.24,1860.63 1936.5,1851.24 1940.13,1841.59 1943.12,1831.73 1945.46,1821.69 1947.14,1811.52 1948.15,1801.26 1948.47,1791.57 1948.41,1790.95 1948.41,176.68 1948.48,175.96 1948.1,165.51 1946.91,154.39 1944.92,143.38 1942.16,132.54 1938.62,121.93 1934.34,111.6 1929.34,101.59 1923.63,91.97 1917.25,82.79 1910.23,74.08 1902.61,65.89 1894.43,58.27 1885.72,51.25 1876.53,44.87 1866.91,39.17 1856.91,34.16 1846.58,29.88 1835.96,26.35 1825.12,23.58 1814.12,21.59 1803,20.4 1792.54,20.03 1791.82,20.1 175.83,20.1 175.11,20.03 164.71,20.4 153.65,21.59 142.71,23.56 131.93,26.31 121.37,29.83 111.1,34.08 101.15,39.06 91.58,44.74 82.44,51.08 73.78,58.06 65.64,65.64 58.06,73.78 51.08,82.44 44.74,91.58 39.06,101.15 34.08,111.1 29.83,121.37 26.31,131.93 23.56,142.71 21.59,153.65 20.4,164.71 20.03,175.11 20.1,175.83 20.1,967.9 224,967.9 225.95,968.29 227.6,969.4 228.71,971.05 228.92,972.08 229.95,972.29 231.6,973.4 232.71,975.05 233.1,977 233.1,1060.89 299.6,1127.4 300.71,1129.05 301.1,1131 301.1,1169.89 399.6,1268.4 400.71,1270.05 401.1,1272 401.1,1558 400.71,1559.95 399.6,1561.6 355.6,1605.6 353.95,1606.71 352,1607.1 20.1,1607.1 20.1,1791.85 20.03,1792.57 20.4,1803.03 21.59,1814.15 23.58,1825.15 26.35,1835.99 29.88,1846.6 34.16,1856.93 39.16,1866.93 44.87,1876.55 51.25,1885.73 58.26,1894.44 65.88,1902.62 74.07,1910.24 82.77,1917.26 91.96,1923.64 101.58,1929.34 111.58,1934.35 121.91,1938.63 132.52,1942.16 143.35,1944.92 154.36,1946.91 165.47,1948.1 175.93,1948.48
USB_GND on GND2 (split plane): 390.9,1555.89 390.9,1274.11 292.4,1175.6 291.29,1173.95 290.9,1172 290.9,1133.11 224.4,1066.6 223.29,1064.95 222.9,1063 222.9,978.1 20.1,978.1 20.1,1596.9 349.89,1596.9
GND on GND1 (split plane): 176.65,1948.41 1790.95,1948.41 1791.57,1948.47 1801.26,1948.15 1811.52,1947.14 1821.69,1945.46 1831.73,1943.12 1841.59,1940.13 1851.24,1936.5 1860.63,1932.24 1869.72,1927.38 1878.48,1921.94 1886.86,1915.93 1894.82,1909.39 1902.35,1902.35 1909.39,1894.82 1915.93,1886.86 1921.94,1878.48 1927.38,1869.72 1932.24,1860.63 1936.5,1851.24 1940.13,1841.59 1943.12,1831.73 1945.46,1821.69 1947.14,1811.52 1948.15,1801.26 1948.47,1791.57 1948.41,1790.95 1948.41,176.68 1948.48,175.96 1948.1,165.51 1946.91,154.39 1944.92,143.38 1942.16,132.54 1938.62,121.93 1934.34,111.6 1929.34,101.59 1923.63,91.97 1917.25,82.79 1910.23,74.08 1902.61,65.89 1894.43,58.27 1885.72,51.25 1876.53,44.87 1866.91,39.17 1856.91,34.16 1846.58,29.88 1835.96,26.35 1825.12,23.58 1814.12,21.59 1803,20.4 1792.54,20.03 1791.82,20.1 175.83,20.1 175.11,20.03 164.71,20.4 153.65,21.59 142.71,23.56 131.93,26.31 121.37,29.83 111.1,34.08 101.15,39.06 91.58,44.74 82.44,51.08 73.78,58.06 65.64,65.64 58.06,73.78 51.08,82.44 44.74,91.58 39.06,101.15 34.08,111.1 29.83,121.37 26.31,131.93 23.56,142.71 21.59,153.65 20.4,164.71 20.03,175.11 20.1,175.83 20.1,967.9 224,967.9 225.95,968.29 227.6,969.4 231.6,973.4 232.71,975.05 233.1,977 233.1,1060.89 299.6,1127.4 300.71,1129.05 301.1,1131 301.1,1169.89 399.6,1268.4 400.71,1270.05 401.1,1272 401.1,1558 400.71,1559.95 399.6,1561.6 355.6,1605.6 353.95,1606.71 352,1607.1 20.1,1607.1 20.1,1791.85 20.03,1792.57 20.4,1803.03 21.59,1814.15 23.58,1825.15 26.35,1835.99 29.88,1846.6 34.16,1856.93 39.16,1866.93 44.87,1876.55 51.25,1885.73 58.26,1894.44 65.88,1902.62 74.07,1910.24 82.77,1917.26 91.96,1923.64 101.58,1929.34 111.58,1934.35 121.91,1938.63 132.52,1942.16 143.35,1944.92 154.36,1946.91 165.47,1948.1 175.93,1948.48
USB_GND on GND1 (split plane): 390.9,1555.89 390.9,1274.11 292.4,1175.6 291.29,1173.95 290.9,1172 290.9,1133.11 224.4,1066.6 223.29,1064.95 222.9,1063 222.9,979.11 221.89,978.1 20.1,978.1 20.1,1596.9 349.89,1596.9

## Keep-outs
Keep-Out Layer:
  lines w10: 0,175.83 ccw(c175.83,175.83) 175.83,0 1791.82,0 ccw(c1791.82,176.68) 1968.5,176.68 1968.5,1790.95 ccw(c1790.95,1790.95) 1790.95,1968.5 176.65,1968.5 ccw(c176.65,1791.85) 0,1791.85 0,175.83 ; 1968.5,1870.08 1968.5,1870.08

## Other copper
TOP-SIG:
  region net -2.5: 1322,210 1313,219 1313,248 1321,256 1655,256 1664,247 1664,220 1654,210 1373,210
BOT-SIG:
  region net -2.5: 1317,215 1313,219 1313,248 1321,256 1655,256 1664,247 1664,220 1654,210 1373,210 1369,215
  region net +5: 409,268.63 409,320 415,326 464,326 470,320 470,293 410,218 410,173 425,158 562,158 568,152 568,60 560,52 479,52 477,54 477,81 481.95,85.95 544.89,86.01 549,90.12 549,120 545,124 372,124 339,157 339,184
  region net +2.5: 1155,81 1148,88 1148,105 1155,112 1205,112 1212,119 1212,166 1206,172 1116,172 1068,220 936,220 930,226 930,245 941,256 1096,256 1140,212 1235,212 1243,204 1243,102 1222,81
  region net NetC110_2: 929,204 936,211 981,211 987,205 986.79,204.79 986.79,48.79 978,40 889,40 882,47 882,68 889,75 920,75 929,84
  region net NetC106_2: 661,196 665,200 710,200 715.48,194.52 715.48,55.48 710,50 587,50 580,57 580,82 586,88 655,88 661,94
  region net +3.3: 604,213 616,201 642,201 651,210 768,210 779,199 779,123 787,115 820,115 825,111 825,75 821,71 785,71 782,68 782,46 786,42 837,42 847,52 847,127 839.5,134.5 839.5,277.5 830,287 774,287 732,245 619,245 604,230
  region net NetJ100_A4_B9: 26,1498 235,1498 256,1477 360,1477 369,1469 369,1451 342,1424 26,1424
  region net +5_USB: 224,981 224,1069 228,1073 228,1280 235,1287 235,1364 26,1364 26,1290 108,1290 195,1203 195,981
  region net NetL101_1: 26,573 361,573 387,599 387,670 396,679 435,679 442,672 441,671 441,552 388,499 26,499
  region net NetC102_2: 26,439 416,439 465,390 465,338 462,335 413,335 410,338 410,352 399,363 26,363
GND1 (plane layer: these items are gaps in the copper):
  lines w10: 1,1602 352,1602 396,1558 396,1272 296,1172 296,1131 228,1063 228,977 224,973 8,973
GND2 (plane layer: these items are gaps in the copper):
  lines w10: 1,1602 352,1602 396,1558 396,1272 296,1172 296,1131 228,1063 228,977 ; 8,973 224,973

## Silkscreen, mask and mechanical layers (free items; w line width, h text height)
Top Overlay:
  lines w2: 721.62,611.64 771.85,661.87 847.3,661.87 897.53,611.64 897.53,540.78 862.57,540.78 862.57,611.64 847.77,626.44 770.5,626.44 755.7,611.64 755.7,540.78 ; 1187.3,487.28 1187.3,522.72
  text "EEG MEASUREMENT CIRCUIT" at 1060.29,1913.22 h30
  text "TEST BOARD V1.0" at 1076.75,1857.67 h30
  text "VCM" at 1131.21,1763.26 h35
  text "EEG_DRL" at 328,1713 h30 r90
  text "EEG_CHANNEL_2+" at 1539.87,1635.76 h30
  text "EEG_CHANNEL_2-" at 1541.43,1585.8 h30
  text "2NOTCH" at 427,1315.32 h35
  text "2INA-HPF" at 784.6,1311.02 h35 r90
  text "+5V_USB" at 10,1015 h30
  text "1INA - HPF" at 919.2,974.47 h35
  text "2OUT" at 750,971.32 h35
  text "-2.5" at 49.2,830.75 h30
  text "+2.5" at 45.88,748.59 h30
  text "+3.3" at 48.22,657.75 h30
  text "2LPF" at 437,654 h35
  text "+5" at 46,570 h30
  text "EEG_CHANNEL_1+" at 1541.43,325.96 h30
  text "EEG_CHANNEL_1-" at 1543,276 h30
  text "1OUT" at 225,264.32 h35
  text "1NOTCH" at 602,182.32 h35
  text "1LPF" at 437,135 h35
  text "GND" at 1374.1,62.69 h35
Bottom Overlay:
  text "+5" at 490,385 h35
  text "+3.3" at 806,309 h35
  text "+2.5" at 1056,271 h35
  text "-2.5" at 1414,266 h35

## Text inside footprints (layer, text, board x,y; h text height)
D100: Top Overlay "+" at 5,640 h30 r270
D101: Top Overlay "+" at 5,1114.68 h30 r270
D102: Top Overlay "+" at 5,727 h30 r270
D103: Top Overlay "+" at 6.45,813 h30 r270
D104: Top Overlay "+" at 6.45,901 h30 r270
J100: Mechanical 13 "PCB EDGE" at 15,1189.35 h16 r270
U101: Mechanical 13 "*" at 528.62,96.57 h50 r180